# Allegro board 038RT-9068CJK8E-A100_0921.brd (continued)
## Placement (name value [footprint] x y rotation side) (continued)
NOREF#1249  -  []  254.99 425.56 0 top
NOREF#1250  -  []  629.25 153.92 0 top
NOREF#1251  -  []  15.1 414.65 0 top
NOREF#1252  -  []  232.75 330.54 90 top
NOREF#1253  -  []  285.59 218.14 0 top
NOREF#1254  -  []  358.67 229.31 0 top
NOREF#1255  -  []  315.3 40.08 90 top
NOREF#1256  -  []  287.7 209.4 90 top
NOREF#1257  -  []  386.86 201.86 90 top
NOREF#1258  -  []  373.61 270.11 90 top
NOREF#1259  -  []  604.77 258.65 90 top
NOREF#1260  -  []  518.88 28.83 0 top
NOREF#1261  -  []  97.83 209.81 0 top
NOREF#1262  -  []  35.42 140.33 90 top
NOREF#1263  -  []  310.22 40.08 90 top
NOREF#1264  -  []  132.95 49.42 90 top
NOREF#1265  -  []  598.85 181.71 90 top
NOREF#1266  -  []  413.67 261.03 90 top
NOREF#1267  -  []  278.34 279.42 90 top
NOREF#1268  -  []  335.29 428.29 90 top
NOREF#1269  -  []  539.03 230.65 90 top
NOREF#1270  -  []  407.29 213.01 0 top
NOREF#1271  -  []  523.56 443.3 0 top
NOREF#1272  -  []  606.28 314.58 0 top
NOREF#1273  -  []  61.64 274.21 90 top
NOREF#1274  -  []  481.71 23.33 90 top
NOREF#1275  -  []  632.24 143.87 90 top
NOREF#1276  -  []  287.27 198.65 90 top
NOREF#1277  -  []  97.01 262.63 0 top
NOREF#1278  -  []  100.82 314.58 0 top
NOREF#1279  -  []  89.79 261.85 90 top
NOREF#1280  -  []  287.67 204.62 0 top
NOREF#1281  -  []  604.77 198.65 90 top
NOREF#1282  -  []  50.5 403.54 90 top
NOREF#1283  -  []  285.27 223.88 0 top
NOREF#1284  -  []  28.5 397.78 90 top
NOREF#1285  -  []  603.57 199.82 0 top
NOREF#1286  -  []  91.39 208.23 0 top
NOREF#1287  -  []  87.37 263.45 90 top
NOREF#1288  -  []  609.08 213.32 90 top
NOREF#1289  -  []  284.44 223.23 90 top
NOREF#1290  -  []  237.85 285.12 0 top
NOREF#1291  -  []  537.38 232.05 90 top
NOREF#1292  -  []  534.18 232.05 0 top
NOREF#1293  -  []  599.93 310.77 90 top
NOREF#1294  -  []  559.57 429.85 90 top
NOREF#1295  -  []  434.68 214.83 0 top
NOREF#1296  -  []  288.89 203.45 90 top
NOREF#1297  -  []  174.78 27.61 0 top
NOREF#1298  -  []  286.9 203 90 top
NOREF#1299  -  []  365.04 203.72 90 top
NOREF#1300  -  []  593.2 199.8 90 top
NOREF#1301  -  []  278.1 273.42 0 top
NOREF#1302  -  []  403.29 205.81 0 top
NOREF#1303  -  []  57.91 274.63 90 top
NOREF#1304  -  []  671.31 270.4 0 top
NOREF#1305  -  []  75.42 331.72 90 top
NOREF#1306  -  []  507.11 437.01 90 top
NOREF#1307  -  []  171.22 420.04 90 top
NOREF#1308  -  []  419.43 201.14 90 top
NOREF#1309  -  []  411.27 211.43 90 top
NOREF#1310  -  []  595.19 259.45 90 top
NOREF#1311  -  []  287.29 200.23 0 top
NOREF#1312  -  []  607.87 17.54 90 top
NOREF#1313  -  []  674.38 279.13 0 top
NOREF#1314  -  []  283.79 223.21 90 top
NOREF#1315  -  []  280.89 206.65 90 top
NOREF#1316  -  []  600.4 260.59 90 top
NOREF#1317  -  []  95.77 200.62 0 top
NOREF#1318  -  []  605.59 213.05 90 top
NOREF#1319  -  []  282.1 262.2 90 top
NOREF#1320  -  []  603.82 18.01 0 top
NOREF#1321  -  []  617.08 149.86 90 top
NOREF#1322  -  []  360.52 284.66 0 top
NOREF#1323  -  []  349.6 230.73 0 top
NOREF#1324  -  []  543.37 237 0 top
NOREF#1325  -  []  29.9 424.64 90 top
NOREF#1326  -  []  615.81 130.56 90 top
NOREF#1327  -  []  402.51 210.61 0 top
NOREF#1328  -  []  587.23 310.77 90 top
NOREF#1329  -  []  292.11 207.43 0 top
NOREF#1330  -  []  605.57 206.63 90 top
NOREF#1331  -  []  155.09 453.95 0 top
NOREF#1332  -  []  93.4 265.39 90 top
NOREF#1333  -  []  629.71 261.62 0 top
NOREF#1334  -  []  437.41 277.63 90 top
NOREF#1335  -  []  110.98 157.86 0 top
NOREF#1336  -  []  590.4 180.8 90 top
NOREF#1337  -  []  90.59 264.23 0 top
NOREF#1338  -  []  173.74 425.5 90 top
NOREF#1339  -  []  601.2 260.59 90 top
NOREF#1340  -  []  601.59 269.83 90 top
NOREF#1341  -  []  591.94 223.47 90 top
NOREF#1342  -  []  282.91 220.37 90 top
NOREF#1343  -  []  380.1 226.22 0 top
NOREF#1344  -  []  360.57 266.37 90 top
NOREF#1345  -  []  4.29 234.23 0 top
NOREF#1346  -  []  241.79 284.66 90 top
NOREF#1347  -  []  596.43 152.6 0 top
NOREF#1348  -  []  584.63 241.71 0 top
NOREF#1349  -  []  42.96 447.81 90 top
NOREF#1350  -  []  325.92 216.53 0 top
NOREF#1351  -  []  94.17 200.62 0 top
NOREF#1352  -  []  406.9 263 90 top
NOREF#1353  -  []  218.66 40.93 0 top
NOREF#1354  -  []  87.41 261.81 0 top
NOREF#1355  -  []  283.27 269.85 90 top
NOREF#1356  -  []  357.85 285.12 0 top
NOREF#1357  -  []  408.47 210.22 0 top
NOREF#1358  -  []  600.4 262.2 90 top
NOREF#1359  -  []  432.77 420.16 90 top
NOREF#1360  -  []  88.19 205.01 0 top
NOREF#1361  -  []  220.26 33.83 90 top
NOREF#1362  -  []  610.95 239.12 0 top
NOREF#1363  -  []  405.69 261.03 0 top
NOREF#1364  -  []  72.6 233.97 0 top
NOREF#1365  -  []  623.58 279.93 90 top
NOREF#1366  -  []  406.32 255.14 0 top
NOREF#1367  -  []  501.47 219.56 0 top
NOREF#1368  -  []  117.8 246.22 90 top
NOREF#1369  -  []  409.71 269.83 0 top
NOREF#1370  -  []  283.7 209.4 90 top
NOREF#1371  -  []  63.07 248.15 0 top
NOREF#1372  -  []  455.44 430.09 90 top
NOREF#1373  -  []  351.03 27.91 0 top
NOREF#1374  -  []  166.01 46.35 0 top
NOREF#1375  -  []  601.17 268.62 0 top
NOREF#1376  -  []  181.25 443.92 90 top
NOREF#1377  -  []  204.06 427.89 90 top
NOREF#1378  -  []  284.87 266.63 90 top
NOREF#1379  -  []  592.79 205.05 90 top
NOREF#1380  -  []  89.79 201.03 90 top
NOREF#1381  -  []  411.27 270.63 90 top
NOREF#1382  -  []  530.46 48.15 0 top
NOREF#1383  -  []  539.03 183.99 90 top
NOREF#1384  -  []  604.37 203.02 0 top
NOREF#1385  -  []  641.53 197.43 90 top
NOREF#1386  -  []  587.66 203.5 90 top
NOREF#1387  -  []  682.83 19.94 90 top
NOREF#1388  -  []  142.1 207.93 0 top
NOREF#1389  -  []  598.39 268.23 0 top
NOREF#1390  -  []  533.66 51.35 90 top
NOREF#1391  -  []  318.15 44.32 90 top
NOREF#1392  -  []  500.09 31.37 90 top
NOREF#1393  -  []  62.84 191.68 90 top
NOREF#1394  -  []  673.94 152.65 0 top
NOREF#1395  -  []  279.72 279.4 90 top
NOREF#1396  -  []  437.41 281.69 90 top
NOREF#1397  -  []  404.91 272.21 0 top
NOREF#1398  -  []  408.87 266.63 90 top
NOREF#1399  -  []  415.3 226.19 0 top
NOREF#1400  -  []  286.49 263.43 90 top
NOREF#1401  -  []  83.94 290.41 90 top
NOREF#1402  -  []  254.17 184.46 0 top
NOREF#1403  -  []  566.05 262.44 90 top
NOREF#1404  -  []  598.41 204.21 0 top
NOREF#1405  -  []  403.27 198.65 90 top
NOREF#1406  -  []  92.99 263.43 90 top
NOREF#1407  -  []  279.7 266.2 90 top
NOREF#1408  -  []  292.47 262.22 0 top
NOREF#1409  -  []  403.29 206.61 0 top
NOREF#1410  -  []  93.79 205.03 0 top
NOREF#1411  -  []  232.96 27.63 90 top
NOREF#1412  -  []  628.51 261.62 90 top
NOREF#1413  -  []  313.7 34.54 90 top
NOREF#1414  -  []  86.97 202.22 0 top
NOREF#1415  -  []  11.29 269.88 0 top
NOREF#1416  -  []  294.73 190.4 0 top
NOREF#1417  -  []  283.86 39.73 90 top
NOREF#1418  -  []  528.71 46.5 90 top
NOREF#1419  -  []  324.92 228.96 90 top
NOREF#1420  -  []  93.79 265.03 0 top
NOREF#1421  -  []  419.43 261.14 90 top
NOREF#1422  -  []  414.28 243.91 90 top
NOREF#1423  -  []  282.1 202.2 90 top
NOREF#1424  -  []  110.98 154.05 90 top
NOREF#1425  -  []  574.97 192.26 90 top
NOREF#1426  -  []  278.34 283.23 90 top
NOREF#1427  -  []  352.27 27.31 0 top
NOREF#1428  -  []  251.52 53.56 90 top
NOREF#1429  -  []  171.22 447.73 90 top
NOREF#1430  -  []  89.37 207.02 0 top
NOREF#1431  -  []  320.38 43.28 0 top
NOREF#1432  -  []  168.38 36.63 90 top
NOREF#1433  -  []  402.1 263.8 90 top
NOREF#1434  -  []  191.96 287.46 0 top
NOREF#1435  -  []  410.24 245.98 90 top
NOREF#1436  -  []  115.62 220.79 90 top
NOREF#1437  -  []  58.89 216.31 0 top
NOREF#1438  -  []  284.11 265.03 0 top
NOREF#1439  -  []  622.28 223.84 0 top
NOREF#1440  -  []  409.69 269.81 0 top
NOREF#1441  -  []  243.3 296.22 0 top
NOREF#1442  -  []  284.47 265.42 0 top
NOREF#1443  -  []  594.39 265.05 90 top
NOREF#1444  -  []  633.37 278.02 90 top
NOREF#1445  -  []  92.6 203 90 top
NOREF#1446  -  []  404.5 271 90 top
NOREF#1447  -  []  132.95 51.62 90 top
NOREF#1448  -  []  78.61 258.12 0 top
NOREF#1449  -  []  600.81 267.43 0 top
NOREF#1450  -  []  282.4 283.23 90 top
NOREF#1451  -  []  8.06 476.13 90 top
NOREF#1452  -  []  405.3 259.79 90 top
NOREF#1453  -  []  89.77 210.63 90 top
NOREF#1454  -  []  611 193.22 90 top
NOREF#1455  -  []  406.9 211 90 top
NOREF#1456  -  []  422.24 267.47 90 top
NOREF#1457  -  []  593.59 261.81 0 top
NOREF#1458  -  []  436.21 280.31 0 top
NOREF#1459  -  []  595.99 205.01 0 top
NOREF#1460  -  []  620 286.22 0 top
NOREF#1461  -  []  328.31 426.39 90 top
NOREF#1462  -  []  290.1 200.59 90 top
NOREF#1463  -  []  232.56 39.2 90 top
NOREF#1464  -  []  603.97 208.23 90 top
NOREF#1465  -  []  491.67 436.45 0 top
NOREF#1466  -  []  290.07 270.22 0 top
NOREF#1467  -  []  593.28 325.6 0 top
NOREF#1468  -  []  158.52 445.82 90 top
NOREF#1469  -  []  599.99 259.43 0 top
NOREF#1470  -  []  268.15 223.37 0 top
NOREF#1471  -  []  288.11 204.21 0 top
NOREF#1472  -  []  97.01 273.01 0 top
NOREF#1473  -  []  106.29 229.19 90 top
NOREF#1474  -  []  596.81 267.41 0 top
NOREF#1475  -  []  433.97 50.36 90 top
NOREF#1476  -  []  81.66 202.57 90 top
NOREF#1477  -  []  165.51 429.31 90 top
NOREF#1478  -  []  562.97 149.86 90 top
NOREF#1479  -  []  73.52 337.82 90 top
NOREF#1480  -  []  52.64 381.69 90 top
NOREF#1481  -  []  190.27 445.82 90 top
NOREF#1482  -  []  596.37 205.42 0 top
NOREF#1483  -  []  283.29 265.81 0 top
NOREF#1484  -  []  83.59 195.14 90 top
NOREF#1485  -  []  628.81 196.73 90 top
NOREF#1486  -  []  281.3 211 90 top
NOREF#1487  -  []  292.2 282.09 0 top
NOREF#1488  -  []  575.61 34.98 0 top
NOREF#1489  -  []  278.52 280.05 0 top
NOREF#1490  -  []  93.77 204.25 90 top
NOREF#1491  -  []  313.95 454.91 90 top
NOREF#1492  -  []  94.97 207.82 0 top
NOREF#1493  -  []  92.17 203.45 90 top
NOREF#1494  -  []  97.79 209.81 0 top
NOREF#1495  -  []  289.67 200.25 90 top
NOREF#1496  -  []  86.97 264.62 0 top
NOREF#1497  -  []  440.02 282.34 0 top
NOREF#1498  -  []  363.61 446.71 90 top
NOREF#1499  -  []  153.8 325.72 0 top
NOREF#1500  -  []  13.26 143.82 90 top
NOREF#1501  -  []  373.61 273.31 0 top
NOREF#1502  -  []  106.87 322.4 90 top
NOREF#1503  -  []  291.29 203.43 0 top
NOREF#1504  -  []  594.77 264.62 0 top
NOREF#1505  -  []  592.37 208.62 0 top
NOREF#1506  -  []  86.59 258.63 0 top
NOREF#1507  -  []  276.81 219.15 90 top
NOREF#1508  -  []  585.33 309.63 90 top
NOREF#1509  -  []  398.1 199.02 90 top
NOREF#1510  -  []  603.99 201.83 0 top
NOREF#1511  -  []  405.69 259.43 0 top
NOREF#1512  -  []  86.97 207.82 0 top
NOREF#1513  -  []  93.86 219.07 90 top
NOREF#1514  -  []  336.65 220.51 0 top
NOREF#1515  -  []  170.9 216.36 0 top
NOREF#1516  -  []  94.17 263.02 0 top
NOREF#1517  -  []  413.67 207.43 90 top
NOREF#1518  -  []  283.09 230.11 90 top
NOREF#1519  -  []  596.49 242.01 90 top
NOREF#1520  -  []  14.11 53.59 0 top
NOREF#1521  -  []  616.44 153.42 90 top
NOREF#1522  -  []  349.51 424.48 0 top
NOREF#1523  -  []  326.95 273.68 0 top
NOREF#1524  -  []  284.91 269.81 0 top
NOREF#1525  -  []  404.09 259.43 0 top
NOREF#1526  -  []  287.29 267.41 0 top
NOREF#1527  -  []  602.97 27.29 0 top
NOREF#1528  -  []  586.52 204.65 90 top
NOREF#1529  -  []  166.01 27.31 0 top
NOREF#1530  -  []  88 290.41 90 top
NOREF#1531  -  []  91.8 207 90 top
NOREF#1532  -  []  673.94 155.19 90 top
NOREF#1533  -  []  398.1 213.42 0 top
NOREF#1534  -  []  593.59 212.21 0 top
NOREF#1535  -  []  279.29 211.45 90 top
NOREF#1536  -  []  280.89 266.65 90 top
NOREF#1537  -  []  602.26 181.7 0 top
NOREF#1538  -  []  288.09 269.03 0 top
NOREF#1539  -  []  407.89 217.54 90 top
NOREF#1540  -  []  94.17 322.4 90 top
NOREF#1541  -  []  515.33 47.24 90 top
NOREF#1542  -  []  498.27 272.9 90 top
NOREF#1543  -  []  407.67 200.59 0 top
NOREF#1544  -  []  197.26 438.45 90 top
NOREF#1545  -  []  278.1 259.02 90 top
NOREF#1546  -  []  70.6 186.22 90 top
NOREF#1547  -  []  219.43 439.19 0 top
NOREF#1548  -  []  605.2 266.99 90 top
NOREF#1549  -  []  343.8 424.48 90 top
NOREF#1550  -  []  207.3 177.22 0 top
NOREF#1551  -  []  406.25 438.24 90 top
NOREF#1552  -  []  600.4 202.2 90 top
NOREF#1553  -  []  91 273.4 90 top
NOREF#1554  -  []  163.91 434.8 90 top
NOREF#1555  -  []  593.17 203.02 0 top
NOREF#1556  -  []  237.78 211.24 0 top
NOREF#1557  -  []  272.3 219.22 0 top
NOREF#1558  -  []  280.06 38.13 90 top
NOREF#1559  -  []  87.41 270.61 0 top
NOREF#1560  -  []  118.53 34.57 0 top
NOREF#1561  -  []  35.57 402.14 0 top
NOREF#1562  -  []  512.44 445.44 0 top
NOREF#1563  -  []  615.17 213.82 90 top
NOREF#1564  -  []  602.39 269.01 0 top
NOREF#1565  -  []  574.07 423.82 0 top
NOREF#1566  -  []  171.22 429.31 90 top
NOREF#1567  -  []  402.13 47.53 90 top
NOREF#1568  -  []  276.31 223.23 90 top
NOREF#1569  -  []  545.02 238.4 0 top
NOREF#1570  -  []  60.05 258.5 90 top
NOREF#1571  -  []  72.02 198.62 90 top
NOREF#1572  -  []  409.69 212.21 0 top
NOREF#1573  -  []  447.04 418.84 0 top
NOREF#1574  -  []  595.17 261.83 90 top
NOREF#1575  -  []  154.91 286.01 0 top
NOREF#1576  -  []  600.77 271.43 90 top
NOREF#1577  -  []  87.39 207.45 90 top
NOREF#1578  -  []  692.13 228.33 90 top
NOREF#1579  -  []  72.6 288.22 90 top
NOREF#1580  -  []  410.9 203.8 90 top
NOREF#1581  -  []  597.59 268.23 0 top
NOREF#1582  -  []  286.51 264.21 0 top
NOREF#1583  -  []  49.99 236.14 0 top
NOREF#1584  -  []  549.93 221.16 90 top
NOREF#1585  -  []  461.36 35.51 90 top
NOREF#1586  -  []  89.01 265.83 0 top
NOREF#1587  -  []  14.11 147.57 0 top
NOREF#1588  -  []  176.3 29.51 0 top
NOREF#1589  -  []  362.71 201.95 90 top
NOREF#1590  -  []  94.97 268.62 0 top
NOREF#1591  -  []  330.67 448.21 0 top
NOREF#1592  -  []  591.92 181.06 90 top
NOREF#1593  -  []  25.25 449.41 0 top
NOREF#1594  -  []  357.78 203.62 0 top
NOREF#1595  -  []  323.86 34.54 90 top
NOREF#1596  -  []  624.78 225.14 0 top
NOREF#1597  -  []  673.94 155.19 90 top
NOREF#1598  -  []  449.43 210.23 90 top
NOREF#1599  -  []  7.39 276.87 0 top
NOREF#1600  -  []  249.98 447.45 0 top
NOREF#1601  -  []  580.95 201.26 90 top
NOREF#1602  -  []  602.46 231.2 90 top
NOREF#1603  -  []  250.03 213.54 90 top
NOREF#1604  -  []  95.77 263.02 0 top
NOREF#1605  -  []  439.11 224.7 0 top
NOREF#1606  -  []  429.28 271.63 90 top
NOREF#1607  -  []  94.97 207.02 0 top
NOREF#1608  -  []  97.37 210.22 0 top
NOREF#1609  -  []  7.6 377.54 90 top
NOREF#1610  -  []  94.2 268.6 90 top
NOREF#1611  -  []  632.68 196.56 90 top
NOREF#1612  -  []  410.47 200.2 90 top
NOREF#1613  -  []  35.05 426.55 90 top
NOREF#1614  -  []  615.17 270.52 90 top
NOREF#1615  -  []  405.71 269.81 0 top
NOREF#1616  -  []  91.37 267.43 90 top
NOREF#1617  -  []  95.99 278.38 0 top
NOREF#1618  -  []  95.57 225.77 90 top
NOREF#1619  -  []  288.7 226.19 0 top
NOREF#1620  -  []  283.29 206.61 0 top
NOREF#1621  -  []  585.69 204.65 90 top
NOREF#1622  -  []  292.95 218.14 0 top
NOREF#1623  -  []  121.01 153.92 0 top
NOREF#1624  -  []  244.78 272.24 0 top
NOREF#1625  -  []  410.51 213.01 0 top
NOREF#1626  -  []  439.11 282.67 0 top
NOREF#1627  -  []  91 208.6 90 top
NOREF#1628  -  []  188.77 260.48 0 top
NOREF#1629  -  []  309.28 274.83 0 top
NOREF#1630  -  []  409.7 290.11 90 top
NOREF#1631  -  []  193.95 443.92 90 top
NOREF#1632  -  []  594.97 252.89 90 top
NOREF#1633  -  []  279.67 271.02 0 top
NOREF#1634  -  []  623.88 279.68 0 top
NOREF#1635  -  []  186.65 222.56 0 top
NOREF#1636  -  []  99.87 230.09 0 top
NOREF#1637  -  []  575.67 160.02 90 top
NOREF#1638  -  []  286.57 281.66 0 top
NOREF#1639  -  []  284.09 259.43 0 top
NOREF#1640  -  []  406.07 272.62 0 top
NOREF#1641  -  []  310.79 425.56 0 top
NOREF#1642  -  []  90.59 205.05 90 top
NOREF#1643  -  []  175.67 38.91 0 top
NOREF#1644  -  []  286.49 199.43 0 top
NOREF#1645  -  []  284.47 267.82 0 top
NOREF#1646  -  []  461.21 428.64 90 top
NOREF#1647  -  []  633.45 137.73 0 top
NOREF#1648  -  []  319.08 144.84 0 top
NOREF#1649  -  []  91 265.39 90 top
NOREF#1650  -  []  313.07 28.45 90 top
NOREF#1651  -  []  98.17 264.62 0 top
NOREF#1652  -  []  349.6 290.73 0 top
NOREF#1653  -  []  683.79 325.12 90 top
NOREF#1654  -  []  327.8 438.53 0 top
NOREF#1655  -  []  207.72 281.46 90 top
NOREF#1656  -  []  397.69 212.23 0 top
NOREF#1657  -  []  362.01 433.78 0 top
NOREF#1658  -  []  682.28 175.65 90 top
NOREF#1659  -  []  186.57 266.69 0 top
NOREF#1660  -  []  128.53 49.42 90 top
NOREF#1661  -  []  98.57 211.43 90 top
NOREF#1662  -  []  406.92 42.73 90 top
NOREF#1663  -  []  79.65 179.12 90 top
NOREF#1664  -  []  602.26 241.7 0 top
NOREF#1665  -  []  288.47 271.82 0 top
NOREF#1666  -  []  142.37 235.44 0 top
NOREF#1667  -  []  88.19 264.25 90 top
NOREF#1668  -  []  100.97 201.03 90 top
NOREF#1669  -  []  289.69 209.81 0 top
NOREF#1670  -  []  85.81 208.21 0 top
NOREF#1671  -  []  408.47 268.62 0 top
NOREF#1672  -  []  670.26 224.48 0 top
NOREF#1673  -  []  273.03 205.66 90 top
NOREF#1674  -  []  170.9 222.56 0 top
NOREF#1675  -  []  621.83 149.4 90 top
NOREF#1676  -  []  323.1 27.56 0 top
NOREF#1677  -  []  598.37 269.03 90 top
NOREF#1678  -  []  571.3 450.93 0 top
NOREF#1679  -  []  290.24 245.98 90 top
NOREF#1680  -  []  600.56 180.8 90 top
NOREF#1681  -  []  81.66 262.57 90 top
NOREF#1682  -  []  711.28 67.04 90 top
NOREF#1683  -  []  273.56 423.14 0 top
NOREF#1684  -  []  436.21 226.41 0 top
NOREF#1685  -  []  97.21 278.77 0 top
NOREF#1686  -  []  586.66 241.71 90 top
NOREF#1687  -  []  283.79 283.21 90 top
NOREF#1688  -  []  597.97 271.82 0 top
NOREF#1689  -  []  279.31 201.81 0 top
NOREF#1690  -  []  352.2 203 0 top
NOREF#1691  -  []  410.47 200.25 90 top
NOREF#1692  -  []  284.62 283.86 0 top
NOREF#1693  -  []  392.3 253.22 90 top
NOREF#1694  -  []  679.31 288.93 0 top
NOREF#1695  -  []  177.86 271.5 90 top
NOREF#1696  -  []  539.03 190.34 90 top
NOREF#1697  -  []  209.3 280.22 0 top
NOREF#1698  -  []  586.01 181.7 90 top
NOREF#1699  -  []  15.31 143.02 90 top
NOREF#1700  -  []  57.84 271.42 0 top
NOREF#1701  -  []  253.37 39.72 0 top
NOREF#1702  -  []  88.33 290.11 0 top
NOREF#1703  -  []  406.34 218.14 0 top
NOREF#1704  -  []  183.92 445.82 0 top
NOREF#1705  -  []  625.2 346.11 90 top
NOREF#1706  -  []  432.48 214.83 0 top
NOREF#1707  -  []  618.68 343.99 90 top
NOREF#1708  -  []  440.02 226.41 0 top
NOREF#1709  -  []  58.14 276.31 0 top
NOREF#1710  -  []  204.06 443.79 0 top
NOREF#1711  -  []  503.77 29.72 90 top
NOREF#1712  -  []  299.43 261.12 90 top
NOREF#1713  -  []  324.89 231.94 0 top
NOREF#1714  -  []  574 268.22 0 top
NOREF#1715  -  []  404.5 209.4 90 top
NOREF#1716  -  []  72.02 263.32 90 top
NOREF#1717  -  []  278.38 245.05 90 top
NOREF#1718  -  []  549.42 238.4 0 top
NOREF#1719  -  []  436.51 228.77 0 top
NOREF#1720  -  []  499.32 35.81 90 top
NOREF#1721  -  []  592.37 268.62 0 top
NOREF#1722  -  []  518.42 214.96 90 top
NOREF#1723  -  []  403.67 268.62 0 top
NOREF#1724  -  []  329.57 92.61 90 top
NOREF#1725  -  []  572.63 149.86 90 top
NOREF#1726  -  []  590.8 213.42 0 top
NOREF#1727  -  []  592.1 241.7 90 top
NOREF#1728  -  []  378.03 427.89 90 top
NOREF#1729  -  []  500.92 41.35 90 top
NOREF#1730  -  []  627.24 207.08 90 top
NOREF#1731  -  []  285.3 266.22 0 top
NOREF#1732  -  []  602.37 201.05 90 top
NOREF#1733  -  []  629.25 356.16 0 top
NOREF#1734  -  []  340.65 250.8 90 top
NOREF#1735  -  []  274.78 282.96 90 top
NOREF#1736  -  []  602.77 268.62 0 top
NOREF#1737  -  []  404.09 269.83 90 top
NOREF#1738  -  []  597.57 265.83 90 top
NOREF#1739  -  []  105.27 316.87 90 top
NOREF#1740  -  []  617.84 312.42 90 top
NOREF#1741  -  []  466.22 144.61 0 top
NOREF#1742  -  []  407.7 261.39 90 top
NOREF#1743  -  []  14.11 21.21 0 top
NOREF#1744  -  []  373.74 27.61 90 top
NOREF#1745  -  []  88.19 262.61 0 top
NOREF#1746  -  []  95.39 261.85 90 top
NOREF#1747  -  []  603.99 205.01 0 top
NOREF#1748  -  []  89.53 229.46 90 top
NOREF#1749  -  []  328.89 193.65 90 top
NOREF#1750  -  []  283.31 273.03 0 top
NOREF#1751  -  []  272.35 179.12 0 top
NOREF#1752  -  []  329.22 239.37 90 top
NOREF#1753  -  []  103.1 229.44 90 top
NOREF#1754  -  []  602.37 261.05 90 top
NOREF#1755  -  []  244.78 204.62 0 top
NOREF#1756  -  []  137.98 237.19 90 top
NOREF#1757  -  []  437.4 280.31 90 top
NOREF#1758  -  []  594.39 262.65 90 top
NOREF#1759  -  []  559.16 42.97 90 top
NOREF#1760  -  []  86.97 211.02 0 top
NOREF#1761  -  []  482.51 231.97 0 top
NOREF#1762  -  []  638.54 355.36 0 top
NOREF#1763  -  []  151.93 429.7 90 top
NOREF#1764  -  []  579.95 228.22 90 top
NOREF#1765  -  []  285.59 282.09 0 top
NOREF#1766  -  []  40.09 434.4 0 top
NOREF#1767  -  []  633.45 118.19 0 top
NOREF#1768  -  []  365.13 378.54 0 top
NOREF#1769  -  []  335.62 59.16 0 top
NOREF#1770  -  []  163.52 27.68 90 top
NOREF#1771  -  []  687.4 50.29 90 top
NOREF#1772  -  []  137.9 58.67 0 top
NOREF#1773  -  []  123.55 320.04 0 top
NOREF#1774  -  []  478.3 189.22 90 top
NOREF#1775  -  []  472.22 326.54 90 top
NOREF#1776  -  []  253.61 263 90 top
NOREF#1777  -  []  274.75 183.91 90 top
NOREF#1778  -  []  121.01 164.08 0 top
NOREF#1779  -  []  3.19 50.29 90 top
NOREF#1780  -  []  408.09 211.43 90 top
NOREF#1781  -  []  393.76 208.71 90 top
NOREF#1782  -  []  92.19 205.03 0 top
NOREF#1783  -  []  289.71 208.23 0 top
NOREF#1784  -  []  174.65 36.88 0 top
NOREF#1785  -  []  534.17 221.16 90 top
NOREF#1786  -  []  594.77 205.42 0 top
NOREF#1787  -  []  91.41 264.21 0 top
NOREF#1788  -  []  534.18 238.4 0 top
NOREF#1789  -  []  512.44 426.39 0 top
NOREF#1790  -  []  177.86 265.29 90 top
NOREF#1791  -  []  105.26 267.33 90 top
NOREF#1792  -  []  407.31 264.23 0 top
NOREF#1793  -  []  404.07 261.05 90 top
NOREF#1794  -  []  408.87 208.25 90 top
NOREF#1795  -  []  185 221.16 0 top
NOREF#1796  -  []  646.23 23.94 0 top
NOREF#1797  -  []  407.29 200.23 0 top
NOREF#1798  -  []  86.17 272.62 0 top
NOREF#1799  -  []  61.64 214.21 90 top
NOREF#1800  -  []  407.9 193.53 90 top
NOREF#1801  -  []  407.29 209.03 0 top
NOREF#1802  -  []  600.01 270.61 0 top
NOREF#1803  -  []  402.07 205.42 0 top
NOREF#1804  -  []  74.45 246.22 90 top
NOREF#1805  -  []  360.41 424.48 0 top
NOREF#1806  -  []  102.55 290.11 0 top
NOREF#1807  -  []  290.24 185.98 90 top
NOREF#1808  -  []  282.47 258.65 90 top
NOREF#1809  -  []  408.07 269.83 90 top
NOREF#1810  -  []  347.8 210.11 0 top
NOREF#1811  -  []  571.99 157.23 0 top
NOREF#1812  -  []  86.17 268.62 0 top
NOREF#1813  -  []  618 181.02 90 top
NOREF#1814  -  []  286.9 211 90 top
NOREF#1815  -  []  606.98 241.71 0 top
NOREF#1816  -  []  91.93 157.86 0 top
NOREF#1817  -  []  544.43 48.15 90 top
NOREF#1818  -  []  574.64 253.15 0 top
NOREF#1819  -  []  406.25 432.64 90 top
NOREF#1820  -  []  388.53 144.61 0 top
NOREF#1821  -  []  617.84 334.01 90 top
NOREF#1822  -  []  597.2 206.2 90 top
NOREF#1823  -  []  629.71 201.62 0 top
NOREF#1824  -  []  161.06 32 0 top
NOREF#1825  -  []  408.09 263.43 90 top
NOREF#1826  -  []  219.68 47.53 90 top
NOREF#1827  -  []  282.51 210.61 0 top
NOREF#1828  -  []  253.77 49.56 90 top
NOREF#1829  -  []  600.56 242.01 90 top
NOREF#1830  -  []  602.39 202.65 90 top
NOREF#1831  -  []  290.07 268.62 0 top
NOREF#1832  -  []  288.89 261.03 0 top
NOREF#1833  -  []  280.89 262.63 90 top
NOREF#1834  -  []  171.86 46.1 90 top
NOREF#1835  -  []  441.21 218.28 90 top
NOREF#1836  -  []  447.2 330.54 90 top
NOREF#1837  -  []  96.99 203.41 0 top
NOREF#1838  -  []  14.11 21.21 90 top
NOREF#1839  -  []  283.29 209.83 90 top
NOREF#1840  -  []  19.29 269.6 0 top
NOREF#1841  -  []  276.81 224.18 90 top
NOREF#1842  -  []  314.33 378.54 0 top
NOREF#1843  -  []  58.14 216.31 0 top
NOREF#1844  -  []  85.37 209.42 0 top
NOREF#1845  -  []  204.53 260.48 0 top
NOREF#1846  -  []  93.81 260.23 0 top
NOREF#1847  -  []  379.01 266.2 0 top
NOREF#1848  -  []  538.08 48.15 90 top
NOREF#1849  -  []  399.31 265.01 0 top
NOREF#1850  -  []  279.29 271.45 90 top
NOREF#1851  -  []  519.43 269.89 0 top
NOREF#1852  -  []  96.57 209.42 0 top
NOREF#1853  -  []  337.67 250.82 0 top
NOREF#1854  -  []  87.37 203.45 90 top
NOREF#1855  -  []  92.39 290.11 0 top
NOREF#1856  -  []  273.06 190.84 90 top
NOREF#1857  -  []  601.59 261.03 90 top
NOREF#1858  -  []  106.35 275.62 90 top
NOREF#1859  -  []  282.9 271 90 top
NOREF#1860  -  []  327.8 443.1 0 top
NOREF#1861  -  []  624.19 334.01 90 top
NOREF#1862  -  []  422.18 330.54 90 top
NOREF#1863  -  []  365.04 269.93 90 top
NOREF#1864  -  []  282.79 92.61 90 top
NOREF#1865  -  []  118.73 312.42 90 top
NOREF#1866  -  []  474.65 44.59 90 top
NOREF#1867  -  []  285.75 225.56 90 top
NOREF#1868  -  []  286.49 281.84 0 top
NOREF#1869  -  []  201.75 416.84 90 top
NOREF#1870  -  []  72.88 135 0 top
NOREF#1871  -  []  347.1 428.29 90 top
NOREF#1872  -  []  173.1 216.36 0 top
NOREF#1873  -  []  38.32 450.66 90 top
NOREF#1874  -  []  336.31 31.07 0 top
NOREF#1875  -  []  288.5 203 90 top
NOREF#1876  -  []  408.91 261.81 0 top
NOREF#1877  -  []  397.27 269.42 0 top
NOREF#1878  -  []  284.5 271 90 top
NOREF#1879  -  []  166.95 286.01 0 top
NOREF#1880  -  []  448.33 436.97 90 top
NOREF#1881  -  []  150.85 441.65 90 top
NOREF#1882  -  []  -57.3 18.09 90 top
NOREF#1883  -  []  427.3 226.22 0 top
NOREF#1884  -  []  93.37 207.02 0 top
NOREF#1885  -  []  407.67 267.82 0 top
NOREF#1886  -  []  335.62 40.08 90 top
NOREF#1887  -  []  175.84 23.47 0 top
NOREF#1888  -  []  357.9 437.44 90 top
NOREF#1889  -  []  288.87 259.45 90 top
NOREF#1890  -  []  371.74 442.9 0 top
NOREF#1891  -  []  96.99 263.41 0 top
NOREF#1892  -  []  405.3 203 90 top
NOREF#1893  -  []  355.89 230.13 0 top
NOREF#1894  -  []  596.82 241.71 0 top
NOREF#1895  -  []  283.29 207.41 0 top
NOREF#1896  -  []  84.62 127.18 90 top
NOREF#1897  -  []  392.35 231.42 90 top
NOREF#1898  -  []  281.2 223.88 0 top
NOREF#1899  -  []  605.59 273.03 90 top
NOREF#1900  -  []  251.77 144.61 0 top
NOREF#1901  -  []  94.61 205.83 0 top
NOREF#1902  -  []  608.78 275.17 0 top
NOREF#1903  -  []  58.29 155.66 0 top
NOREF#1904  -  []  117.97 316.87 90 top
NOREF#1905  -  []  399.7 262.2 90 top
NOREF#1906  -  []  56.39 276.76 0 top
NOREF#1907  -  []  529.78 225.76 0 top
NOREF#1908  -  []  139.3 51.62 90 top
NOREF#1909  -  []  508.62 45.09 0 top
NOREF#1910  -  []  276.49 223.86 0 top
NOREF#1911  -  []  604.11 241.06 90 top
NOREF#1912  -  []  594.14 181.7 90 top
NOREF#1913  -  []  442.43 49.56 90 top
NOREF#1914  -  []  79.6 253.22 90 top
NOREF#1915  -  []  99.37 269.03 90 top
NOREF#1916  -  []  603.97 268.23 90 top
NOREF#1917  -  []  590.72 181.71 0 top
NOREF#1918  -  []  402.07 265.42 0 top
NOREF#1919  -  []  337.67 262.25 0 top
NOREF#1920  -  []  87.82 325.6 0 top
NOREF#1921  -  []  277.14 280.07 0 top
NOREF#1922  -  []  603.57 200.62 0 top
NOREF#1923  -  []  96.99 199.45 90 top
NOREF#1924  -  []  98.59 201.85 90 top
NOREF#1925  -  []  440.01 218.93 0 top
NOREF#1926  -  []  435.3 284.7 0 top
NOREF#1927  -  []  318.15 48.13 0 top
NOREF#1928  -  []  32.29 228.6 0 top
NOREF#1929  -  []  576.06 259.57 90 top
NOREF#1930  -  []  519.43 263.68 0 top
NOREF#1931  -  []  220.9 432.22 90 top
NOREF#1932  -  []  602.41 261.03 0 top
NOREF#1933  -  []  7.39 226.07 0 top
NOREF#1934  -  []  403.7 269.39 90 top
NOREF#1935  -  []  351.22 415.37 0 top
NOREF#1936  -  []  408.89 203.45 90 top
NOREF#1937  -  []  284.47 267.02 0 top
NOREF#1938  -  []  274.78 284.18 90 top
NOREF#1939  -  []  402.49 210.63 0 top
NOREF#1940  -  []  88.6 271 90 top
NOREF#1941  -  []  254.99 422.36 90 top
NOREF#1942  -  []  604.77 269.85 90 top
NOREF#1943  -  []  101.9 290.09 0 top
NOREF#1944  -  []  91.41 268.21 0 top
NOREF#1945  -  []  287.29 260.23 0 top
NOREF#1946  -  []  600.81 204.23 0 top
NOREF#1947  -  []  78.27 130.38 0 top
NOREF#1948  -  []  403.29 261.03 90 top
NOREF#1949  -  []  89.77 202.63 90 top
NOREF#1950  -  []  413.67 270.63 90 top
NOREF#1951  -  []  85.79 264.23 0 top
NOREF#1952  -  []  92.57 136.91 90 top
NOREF#1953  -  []  429.28 211.63 90 top
NOREF#1954  -  []  18.92 463.94 0 top
NOREF#1955  -  []  60.05 198.5 90 top
NOREF#1956  -  []  97.37 270.22 0 top
NOREF#1957  -  []  603.57 260.62 0 top
NOREF#1958  -  []  292.2 222.09 0 top
NOREF#1959  -  []  89.4 211 90 top
NOREF#1960  -  []  88 229.19 90 top
NOREF#1961  -  []  362.71 269.57 90 top
NOREF#1962  -  []  393.06 250.84 90 top
NOREF#1963  -  []  284.06 433.64 90 top
NOREF#1964  -  []  410.47 260.25 90 top
NOREF#1965  -  []  373.44 433.78 0 top
NOREF#1966  -  []  436.2 287.06 0 top
NOREF#1967  -  []  633.37 279.42 90 top
NOREF#1968  -  []  161.06 47.24 90 top
NOREF#1969  -  []  162.2 425.5 90 top
NOREF#1970  -  []  546.97 19.23 0 top
NOREF#1971  -  []  78.27 150.04 90 top
NOREF#1972  -  []  52.64 150.81 90 top
NOREF#1973  -  []  75.42 335.53 0 top
NOREF#1974  -  []  398.1 273.42 0 top
NOREF#1975  -  []  608.78 210.47 0 top
NOREF#1976  -  []  50.39 377.37 0 top
NOREF#1977  -  []  319.54 30.1 90 top
NOREF#1978  -  []  406.07 267.82 0 top
NOREF#1979  -  []  349.55 62.08 0 top
NOREF#1980  -  []  529.78 191.74 0 top
NOREF#1981  -  []  160.45 272.9 90 top
NOREF#1982  -  []  190.77 286.06 0 top
NOREF#1983  -  []  407.31 213.01 0 top
NOREF#1984  -  []  238.53 203.62 0 top
NOREF#1985  -  []  404.5 269.39 90 top
NOREF#1986  -  []  72.75 330.83 0 top
NOREF#1987  -  []  590.07 181.7 0 top
NOREF#1988  -  []  94.97 267.82 0 top
NOREF#1989  -  []  297.52 250.01 90 top
NOREF#1990  -  []  358.83 209.39 90 top
NOREF#1991  -  []  596.77 211.43 90 top
NOREF#1992  -  []  518.42 227.37 90 top
NOREF#1993  -  []  596.17 181.7 0 top
NOREF#1994  -  []  282.47 270.63 90 top
NOREF#1995  -  []  287.27 260.25 90 top
NOREF#1996  -  []  313.95 449.83 0 top
NOREF#1997  -  []  31.61 146.69 0 top
NOREF#1998  -  []  406.49 209.03 90 top
NOREF#1999  -  []  90.04 289.19 90 top
NOREF#2000  -  []  85.65 290.09 0 top
NOREF#2001  -  []  140.64 215.4 90 top
NOREF#2002  -  []  290.1 211 90 top
NOREF#2003  -  []  610.73 149.86 90 top
NOREF#2004  -  []  502.92 447.93 0 top
NOREF#2005  -  []  51.27 422.73 0 top
NOREF#2006  -  []  468.26 438.24 90 top
NOREF#2007  -  []  602.41 267.43 0 top
NOREF#2008  -  []  605.57 204.23 90 top
NOREF#2009  -  []  89.4 199.8 90 top
NOREF#2010  -  []  92.17 201.05 90 top
NOREF#2011  -  []  276.49 220.05 0 top
NOREF#2012  -  []  575.29 191.96 90 top
NOREF#2013  -  []  592.79 265.05 90 top
NOREF#2014  -  []  26.97 397.53 90 top
NOREF#2015  -  []  584.69 153.42 90 top
NOREF#2016  -  []  96.79 40.89 0 top
NOREF#2017  -  []  282.07 266.22 0 top
NOREF#2018  -  []  155.98 32 0 top
NOREF#2019  -  []  90.97 153.24 0 top
NOREF#2020  -  []  100.2 230.41 90 top
NOREF#2021  -  []  613.77 164.08 0 top
NOREF#2022  -  []  272.3 193.22 90 top
NOREF#2023  -  []  100.97 261.83 90 top
NOREF#2024  -  []  66.87 191.51 90 top
NOREF#2025  -  []  409.69 272.21 0 top
NOREF#2026  -  []  274.02 93.84 90 top
NOREF#2027  -  []  690.26 210.48 90 top
NOREF#2028  -  []  86.17 271.82 0 top
NOREF#2029  -  []  218.06 42.53 0 top
NOREF#2030  -  []  406.32 254.31 0 top
NOREF#2031  -  []  422.18 92.61 90 top
NOREF#2032  -  []  604.4 272.59 90 top
NOREF#2033  -  []  600.77 267.45 90 top
NOREF#2034  -  []  632.24 358.82 90 top
NOREF#2035  -  []  408.69 226.19 0 top
NOREF#2036  -  []  407.31 266.63 0 top
NOREF#2037  -  []  186.31 50.36 0 top
NOREF#2038  -  []  347.19 27.31 0 top
NOREF#2039  -  []  233.14 44.59 90 top
NOREF#2040  -  []  597.57 265.03 90 top
NOREF#2041  -  []  604.02 24.19 0 top
NOREF#2042  -  []  477.02 39.2 90 top
NOREF#2043  -  []  58.72 427.36 90 top
NOREF#2044  -  []  97.01 200.23 0 top
NOREF#2045  -  []  405.67 209.85 90 top
NOREF#2046  -  []  245.04 211.34 90 top
NOREF#2047  -  []  591.21 270.63 0 top
NOREF#2048  -  []  464.04 429.34 90 top
NOREF#2049  -  []  89.79 262.65 90 top
NOREF#2050  -  []  88.19 203.41 0 top
NOREF#2051  -  []  79.23 135 0 top
NOREF#2052  -  []  571.86 309.88 0 top
NOREF#2053  -  []  200.76 214.96 0 top
NOREF#2054  -  []  324.92 217.53 90 top
NOREF#2055  -  []  107.35 434.2 0 top
NOREF#2056  -  []  285.71 209.81 0 top
NOREF#2057  -  []  4.26 330.2 0 top
NOREF#2058  -  []  89.79 199.43 0 top
NOREF#2059  -  []  285.69 264.25 90 top
NOREF#2060  -  []  290.48 432.64 90 top
NOREF#2061  -  []  408.07 258.65 90 top
NOREF#2062  -  []  400.62 428.64 90 top
NOREF#2063  -  []  35.55 452.26 90 top
NOREF#2064  -  []  641.53 262.07 90 top
NOREF#2065  -  []  435.3 286.73 0 top
NOREF#2066  -  []  362.76 207.6 0 top
NOREF#2067  -  []  92.57 309.63 90 top
NOREF#2068  -  []  604.62 242.01 90 top
NOREF#2069  -  []  89.01 199.41 0 top
NOREF#2070  -  []  88.99 201.03 90 top
NOREF#2071  -  []  85.4 199.02 90 top
NOREF#2072  -  []  112.07 201.26 90 top
NOREF#2073  -  []  292.87 261.05 90 top
NOREF#2074  -  []  405.3 261.39 90 top
NOREF#2075  -  []  76.66 202.82 0 top
NOREF#2076  -  []  302.91 32.26 0 top
NOREF#2077  -  []  503.67 269.89 0 top
NOREF#2078  -  []  365.33 213.54 0 top
NOREF#2079  -  []  587.69 22.75 90 top
NOREF#2080  -  []  603.17 265.83 90 top
NOREF#2081  -  []  407.67 207.02 0 top
NOREF#2082  -  []  603.57 203.82 0 top
NOREF#2083  -  []  326.24 239.39 0 top
NOREF#2084  -  []  313.88 436.45 90 top
NOREF#2085  -  []  88.21 267.41 0 top
NOREF#2086  -  []  411.27 269.03 90 top
NOREF#2087  -  []  276.49 280.05 0 top
NOREF#2088  -  []  600.81 207.43 0 top
NOREF#2089  -  []  239.73 203.62 0 top
NOREF#2090  -  []  330.54 43.28 0 top
NOREF#2091  -  []  440.01 227.06 0 top
NOREF#2092  -  []  280.07 209.03 90 top
NOREF#2093  -  []  61.94 274.46 90 top
NOREF#2094  -  []  287.31 264.23 0 top
NOREF#2095  -  []  91 211.8 90 top
NOREF#2096  -  []  624.78 219.93 0 top
NOREF#2097  -  []  578.98 316.87 90 top
NOREF#2098  -  []  325.24 251.82 90 top
NOREF#2099  -  []  231.65 291.08 0 top
NOREF#2100  -  []  91.93 154.05 90 top
NOREF#2101  -  []  325.22 266.23 0 top
NOREF#2102  -  []  78.61 262.82 0 top
NOREF#2103  -  []  98.57 272.25 90 top
NOREF#2104  -  []  408.5 263 90 top
NOREF#2105  -  []  602.78 149.4 90 top
NOREF#2106  -  []  410.07 270.22 0 top
NOREF#2107  -  []  622.83 285.14 0 top
NOREF#2108  -  []  282.1 211 90 top
NOREF#2109  -  []  254.52 184.22 0 top
NOREF#2110  -  []  536.05 426.65 90 top
NOREF#2111  -  []  100.97 266.63 90 top
NOREF#2112  -  []  269.56 27.63 0 top
NOREF#2113  -  []  407.67 207.82 0 top
NOREF#2114  -  []  328.18 43.43 0 top
NOREF#2115  -  []  595.17 201.83 90 top
NOREF#2116  -  []  8.31 143.27 90 top
NOREF#2117  -  []  534.18 204.44 0 top
NOREF#2118  -  []  600.88 241.71 90 top
NOREF#2119  -  []  408.09 261.03 0 top
NOREF#2120  -  []  289.69 269.01 0 top
NOREF#2121  -  []  380.42 49.56 90 top
NOREF#2122  -  []  286.49 203.43 90 top
NOREF#2123  -  []  404.09 270.63 0 top
NOREF#2124  -  []  440.02 220.31 0 top
NOREF#2125  -  []  403.31 273.03 0 top
NOREF#2126  -  []  30.51 449.41 90 top
NOREF#2127  -  []  94.97 208.62 0 top
NOREF#2128  -  []  378.17 50.36 90 top
NOREF#2129  -  []  408.89 261.03 0 top
NOREF#2130  -  []  326.29 416.31 90 top
NOREF#2131  -  []  278.1 213.42 0 top
NOREF#2132  -  []  100.17 203.43 90 top
NOREF#2133  -  []  287.29 203.43 90 top
NOREF#2134  -  []  406.49 221.84 0 top
NOREF#2135  -  []  279.7 200.59 90 top
NOREF#2136  -  []  402.1 203.8 90 top
NOREF#2137  -  []  357.23 264.07 0 top
NOREF#2138  -  []  62.84 186.47 90 top
NOREF#2139  -  []  104.07 206.92 90 top
NOREF#2140  -  []  405.11 254.75 0 top
NOREF#2141  -  []  98.59 209.05 90 top
NOREF#2142  -  []  603.99 266.61 0 top
NOREF#2143  -  []  251.87 436.45 90 top
NOREF#2144  -  []  282.1 260.59 90 top
NOREF#2145  -  []  298.25 181.02 90 top
NOREF#2146  -  []  158.28 431.9 90 top
NOREF#2147  -  []  462.51 42.53 0 top
NOREF#2148  -  []  401.71 201.81 0 top
NOREF#2149  -  []  278.49 269.81 0 top
NOREF#2150  -  []  220.03 432.64 0 top
NOREF#2151  -  []  592.76 202.63 0 top
NOREF#2152  -  []  282.91 219.15 90 top
NOREF#2153  -  []  623.58 285.14 90 top
NOREF#2154  -  []  347.1 446.71 90 top
NOREF#2155  -  []  693.28 54.65 0 top
NOREF#2156  -  []  58.14 271.67 0 top
NOREF#2157  -  []  338.32 216.53 0 top
NOREF#2158  -  []  191.05 228.77 0 top
NOREF#2159  -  []  13.21 427.47 0 top
NOREF#2160  -  []  406.1 259.79 90 top
NOREF#2161  -  []  673.94 61.21 90 top
NOREF#2162  -  []  606.28 332.36 90 top
NOREF#2163  -  []  402.1 262.2 90 top
NOREF#2164  -  []  284.87 205.03 90 top
NOREF#2165  -  []  604.95 242.91 0 top
NOREF#2166  -  []  207.73 260.48 90 top
NOREF#2167  -  []  92.94 229.44 90 top
NOREF#2168  -  []  95.39 199.45 90 top
NOREF#2169  -  []  294.5 277.54 90 top
NOREF#2170  -  []  593.59 259.43 0 top
NOREF#2171  -  []  460.69 431.02 90 top
NOREF#2172  -  []  610.73 159.77 90 top
NOREF#2173  -  []  462.73 47.53 90 top
NOREF#2174  -  []  197.26 447.73 90 top
NOREF#2175  -  []  403.31 268.23 0 top
NOREF#2176  -  []  325.3 275.33 90 top
NOREF#2177  -  []  597.39 157.23 0 top
NOREF#2178  -  []  591.27 241.05 90 top
NOREF#2179  -  []  195.72 55.76 90 top
NOREF#2180  -  []  284.66 436.44 0 top
NOREF#2181  -  []  288.87 212.23 90 top
NOREF#2182  -  []  171.09 27.31 0 top
NOREF#2183  -  []  282.1 263.8 90 top
NOREF#2184  -  []  94.17 203.02 0 top
NOREF#2185  -  []  86.97 203.02 0 top
NOREF#2186  -  []  231.65 231.08 0 top
NOREF#2187  -  []  155.98 51.05 0 top
NOREF#2188  -  []  597.57 264.23 90 top
NOREF#2189  -  []  501.47 269.89 0 top
NOREF#2190  -  []  611.49 312.42 90 top
NOREF#2191  -  []  532.98 225.76 0 top
NOREF#2192  -  []  586.91 204.28 0 top
NOREF#2193  -  []  68.6 241.02 0 top
NOREF#2194  -  []  280.89 206.63 90 top
NOREF#2195  -  []  615.17 215.22 90 top
NOREF#2196  -  []  18.78 388.01 90 top
NOREF#2197  -  []  602.77 266.22 0 top
NOREF#2198  -  []  91.37 198.65 90 top
NOREF#2199  -  []  352.82 428.29 90 top
NOREF#2200  -  []  283.06 431.62 0 top
NOREF#2201  -  []  591.68 159.77 90 top
NOREF#2202  -  []  409.69 209.81 0 top
NOREF#2203  -  []  214.51 48.93 0 top
NOREF#2204  -  []  554.27 237 90 top
NOREF#2205  -  []  673.94 61.21 90 top
NOREF#2206  -  []  253.77 378.54 0 top
NOREF#2207  -  []  360.41 424.48 90 top
NOREF#2208  -  []  595.21 260.23 0 top
NOREF#2209  -  []  290.87 261.42 0 top
NOREF#2210  -  []  407.31 264.21 0 top
NOREF#2211  -  []  374.97 50.36 0 top
NOREF#2212  -  []  405.11 253.92 0 top
NOREF#2213  -  []  358.53 209.14 90 top
NOREF#2214  -  []  598.87 45.36 90 top
NOREF#2215  -  []  173.46 58.88 90 top
NOREF#2216  -  []  370.33 205.67 90 top
NOREF#2217  -  []  303.26 418.84 90 top
NOREF#2218  -  []  254.89 183.56 90 top
NOREF#2219  -  []  373.61 203 90 top
NOREF#2220  -  []  510.14 53.97 90 top
NOREF#2221  -  []  599.99 266.63 90 top
NOREF#2222  -  []  406.49 211.43 90 top
NOREF#2223  -  []  665.97 8.25 90 top
NOREF#2224  -  []  79.87 316.87 90 top
NOREF#2225  -  []  360.57 272.59 90 top
NOREF#2226  -  []  192.97 286.06 0 top
NOREF#2227  -  []  99.39 266.61 0 top
NOREF#2228  -  []  692.13 209.28 90 top
NOREF#2229  -  []  291.29 201.03 90 top
NOREF#2230  -  []  571.95 453.28 0 top
NOREF#2231  -  []  517.23 269.89 0 top
NOREF#2232  -  []  92.19 272.23 90 top
NOREF#2233  -  []  286.47 223.23 90 top
NOREF#2234  -  []  600.01 268.21 0 top
NOREF#2235  -  []  600.81 266.63 0 top
NOREF#2236  -  []  72.88 157.86 0 top
NOREF#2237  -  []  574 328.22 0 top
NOREF#2238  -  []  125.33 49.42 0 top
NOREF#2239  -  []  536.68 57.4 0 top
NOREF#2240  -  []  603.97 201.05 90 top
NOREF#2241  -  []  283.67 203.02 0 top
NOREF#2242  -  []  593.97 260.62 0 top
NOREF#2243  -  []  186.65 216.36 0 top
NOREF#2244  -  []  612.33 325.6 0 top
NOREF#2245  -  []  7.76 178.69 90 top
NOREF#2246  -  []  85.81 268.21 0 top
NOREF#2247  -  []  97.01 265.03 0 top
NOREF#2248  -  []  10.39 245.12 0 top
NOREF#2249  -  []  253.61 206.2 0 top
NOREF#2250  -  []  408.89 205.85 90 top
NOREF#2251  -  []  333.69 433.78 0 top
NOREF#2252  -  []  415.94 250.79 0 top
NOREF#2253  -  []  594.14 242.9 0 top
NOREF#2254  -  []  406.07 267.02 0 top
NOREF#2255  -  []  157.34 222.56 0 top
NOREF#2256  -  []  419.7 23.33 90 top
NOREF#2257  -  []  593.17 203.82 0 top
NOREF#2258  -  []  634.21 206.32 0 top
NOREF#2259  -  []  275.11 220.07 0 top
NOREF#2260  -  []  173.1 228.77 0 top
NOREF#2261  -  []  427.77 447.45 0 top
NOREF#2262  -  []  95.39 212.21 0 top
NOREF#2263  -  []  338.55 33.96 0 top
NOREF#2264  -  []  91.39 268.23 0 top
NOREF#2265  -  []  603.99 206.65 90 top
NOREF#2266  -  []  535.18 225.76 0 top
NOREF#2267  -  []  580.85 283.37 0 top
NOREF#2268  -  []  286.9 271 90 top
NOREF#2269  -  []  237.78 271.24 0 top
NOREF#2270  -  []  79.87 159.77 90 top
NOREF#2271  -  []  278.87 269.42 0 top
NOREF#2272  -  []  11.81 49.04 90 top
NOREF#2273  -  []  329.7 30.1 90 top
NOREF#2274  -  []  598.8 264.6 90 top
NOREF#2275  -  []  600.57 336.17 0 top
NOREF#2276  -  []  -6.71 287.4 0 top
NOREF#2277  -  []  90.59 269.83 90 top
NOREF#2278  -  []  592.75 242.91 0 top
NOREF#2279  -  []  574.64 193.15 0 top
NOREF#2280  -  []  271.45 431.58 90 top
NOREF#2281  -  []  92.19 208.23 0 top
NOREF#2282  -  []  628 205.81 90 top
NOREF#2283  -  []  286.49 270.61 0 top
NOREF#2284  -  []  401.3 259.8 90 top
NOREF#2285  -  []  168.38 62.08 0 top
NOREF#2286  -  []  287.29 208.21 0 top
NOREF#2287  -  []  412.47 207.82 0 top
NOREF#2288  -  []  175.3 228.77 0 top
NOREF#2289  -  []  312.94 27.56 0 top
NOREF#2290  -  []  513.71 419.02 90 top
NOREF#2291  -  []  91.39 209.83 90 top
NOREF#2292  -  []  92.99 265.03 0 top
NOREF#2293  -  []  92.57 337.82 90 top
NOREF#2294  -  []  440.01 287.06 0 top
NOREF#2295  -  []  591.63 186.68 90 top
NOREF#2296  -  []  364.78 264.62 0 top
NOREF#2297  -  []  84.27 290.11 0 top
NOREF#2298  -  []  592.75 181.71 90 top
NOREF#2299  -  []  81.47 322.4 90 top
NOREF#2300  -  []  593.59 199.43 0 top
NOREF#2301  -  []  276.31 219.42 90 top
NOREF#2302  -  []  587.23 314.58 0 top
NOREF#2303  -  []  604.4 264.6 90 top
NOREF#2304  -  []  168.61 260.48 0 top
NOREF#2305  -  []  601.17 264.62 0 top
NOREF#2306  -  []  297.46 262.26 90 top
NOREF#2307  -  []  686.33 340.36 90 top
NOREF#2308  -  []  356.3 433.78 0 top
NOREF#2309  -  []  287.29 273.01 0 top
NOREF#2310  -  []  77.64 262.39 90 top
NOREF#2311  -  []  188.85 216.36 0 top
NOREF#2312  -  []  594.34 261.85 90 top
NOREF#2313  -  []  290.47 260.25 90 top
NOREF#2314  -  []  414.5 217.54 90 top
NOREF#2315  -  []  574.07 423.82 0 top
NOREF#2316  -  []  582.02 164.08 0 top
NOREF#2317  -  []  336.65 198.35 0 top
NOREF#2318  -  []  91.41 260.23 0 top
NOREF#2319  -  []  75.45 189.07 90 top
NOREF#2320  -  []  200.25 427.89 90 top
NOREF#2321  -  []  411.27 209.03 90 top
NOREF#2322  -  []  91 268.6 90 top
NOREF#2323  -  []  440.32 218.61 0 top
NOREF#2324  -  []  36.29 271.4 90 top
NOREF#2325  -  []  368.06 444.8 0 top
NOREF#2326  -  []  14.11 179.96 90 top
NOREF#2327  -  []  373.61 266.2 0 top
NOREF#2328  -  []  594.46 242.01 90 top
NOREF#2329  -  []  402.1 260.59 90 top
NOREF#2330  -  []  631.5 360.47 90 top
NOREF#2331  -  []  597.2 266.2 90 top
NOREF#2332  -  []  574.97 252.26 90 top
NOREF#2333  -  []  284.89 207.45 90 top
NOREF#2334  -  []  97.37 205.42 0 top
NOREF#2335  -  []  280.89 201.03 90 top
NOREF#2336  -  []  415.58 44.59 90 top
NOREF#2337  -  []  336.65 221.21 0 top
NOREF#2338  -  []  638.54 364.87 90 top
NOREF#2339  -  []  599.19 212.21 0 top
NOREF#2340  -  []  328.94 50.42 90 top
NOREF#2341  -  []  595.73 217.3 90 top
NOREF#2342  -  []  284.84 428.64 90 top
NOREF#2343  -  []  20.34 212.72 90 top
NOREF#2344  -  []  440.18 55.76 90 top
NOREF#2345  -  []  402.9 269.39 90 top
NOREF#2346  -  []  285.69 261.03 0 top
NOREF#2347  -  []  248.68 454.25 0 top
NOREF#2348  -  []  342.24 51.05 0 top
NOREF#2349  -  []  280.51 444.45 0 top
NOREF#2350  -  []  607.48 215.62 0 top
NOREF#2351  -  []  90.97 127.18 90 top
NOREF#2352  -  []  151.2 271.5 0 top
NOREF#2353  -  []  590.4 242.01 90 top
NOREF#2354  -  []  89.37 266.22 0 top
NOREF#2355  -  []  292.09 201.81 0 top
NOREF#2356  -  []  603.74 157.23 0 top
NOREF#2357  -  []  292.2 44.59 90 top
NOREF#2358  -  []  286.49 271.43 90 top
NOREF#2359  -  []  405.69 211.43 90 top
NOREF#2360  -  []  279.67 211.82 0 top
NOREF#2361  -  []  597.37 181.05 90 top
NOREF#2362  -  []  337.7 442.9 90 top
NOREF#2363  -  []  405.3 263 90 top
NOREF#2364  -  []  592.37 204.62 0 top
NOREF#2365  -  []  282.51 270.61 0 top
NOREF#2366  -  []  436.2 289.09 0 top
NOREF#2367  -  []  279.67 271.82 0 top
NOREF#2368  -  []  399.31 205.01 0 top
NOREF#2369  -  []  404.09 210.63 0 top
NOREF#2370  -  []  59.69 159.13 90 top
NOREF#2371  -  []  598.03 149.86 90 top
NOREF#2372  -  []  86.61 205.03 0 top
NOREF#2373  -  []  87.82 343.36 90 top
NOREF#2374  -  []  633.37 283.23 90 top
NOREF#2375  -  []  283.29 210.63 0 top
NOREF#2376  -  []  140.28 216.06 0 top
NOREF#2377  -  []  237.78 263.62 0 top
NOREF#2378  -  []  91 266.99 90 top
NOREF#2379  -  []  594.77 203.02 0 top
NOREF#2380  -  []  285.27 270.22 0 top
NOREF#2381  -  []  628.51 261.62 0 top
NOREF#2382  -  []  518.88 44.7 0 top
NOREF#2383  -  []  497.24 96.61 90 top
NOREF#2384  -  []  604.81 268.21 0 top
NOREF#2385  -  []  132.95 57.02 0 top
NOREF#2386  -  []  591.68 309.63 90 top
NOREF#2387  -  []  116.5 219.83 90 top
NOREF#2388  -  []  498.27 263.68 0 top
NOREF#2389  -  []  284.87 205.83 90 top
NOREF#2390  -  []  403.29 209.83 90 top
NOREF#2391  -  []  386.32 436.97 90 top
NOREF#2392  -  []  79.1 309.88 0 top
NOREF#2393  -  []  -11.44 173.92 0 top
NOREF#2394  -  []  592.01 208.23 0 top
NOREF#2395  -  []  19.29 320.4 0 top
NOREF#2396  -  []  284.94 224.18 90 top
NOREF#2397  -  []  98.28 157.86 0 top
NOREF#2398  -  []  191.05 222.56 0 top
NOREF#2399  -  []  85.97 289.19 90 top
NOREF#2400  -  []  523.56 443.3 90 top
NOREF#2401  -  []  171.22 438.45 90 top
NOREF#2402  -  []  394.1 34.58 90 top
NOREF#2403  -  []  58.89 211.67 0 top
NOREF#2404  -  []  371.96 55.76 90 top
NOREF#2405  -  []  45.67 215.01 90 top
NOREF#2406  -  []  326.24 262.25 0 top
NOREF#2407  -  []  241.79 224.66 90 top
NOREF#2408  -  []  298.25 181.02 90 top
NOREF#2409  -  []  602.39 205.85 90 top
NOREF#2410  -  []  638.54 349.96 90 top
NOREF#2411  -  []  603.99 270.63 0 top
NOREF#2412  -  []  92.99 267.43 90 top
NOREF#2413  -  []  207.25 418.84 90 top
NOREF#2414  -  []  213.76 40.33 0 top
NOREF#2415  -  []  400.89 201.03 90 top
NOREF#2416  -  []  593.59 262.61 0 top
NOREF#2417  -  []  163.91 416.38 0 top
NOREF#2418  -  []  417.35 205.79 90 top
NOREF#2419  -  []  22.66 386.16 90 top
NOREF#2420  -  []  603.97 269.03 90 top
NOREF#2421  -  []  583.73 152.6 0 top
NOREF#2422  -  []  328.31 444.8 0 top
NOREF#2423  -  []  40.87 396.14 90 top
NOREF#2424  -  []  595.73 277.3 90 top
NOREF#2425  -  []  173.74 415.59 0 top
NOREF#2426  -  []  326.57 227.96 0 top
NOREF#2427  -  []  261.3 206.22 90 top
NOREF#2428  -  []  102.55 230.11 0 top
NOREF#2429  -  []  544.43 52.55 90 top
NOREF#2430  -  []  592.81 265.83 0 top
NOREF#2431  -  []  238.67 225.35 90 top
NOREF#2432  -  []  275.66 223.21 90 top
NOREF#2433  -  []  92.99 205.03 0 top
NOREF#2434  -  []  338.32 250.82 0 top
NOREF#2435  -  []  402.47 258.65 90 top
NOREF#2436  -  []  153.49 221.16 0 top
NOREF#2437  -  []  289.69 269.81 0 top
NOREF#2438  -  []  594.14 241.7 90 top
NOREF#2439  -  []  88.57 207.82 0 top
NOREF#2440  -  []  21.94 386.24 90 top
NOREF#2441  -  []  464.14 47.53 90 top
NOREF#2442  -  []  288.89 263.45 90 top
NOREF#2443  -  []  604.01 262.63 0 top
NOREF#2444  -  []  404.64 242.02 90 top
NOREF#2445  -  []  405.67 198.65 90 top
NOREF#2446  -  []  518.93 227.16 0 top
NOREF#2447  -  []  621.19 126.54 90 top
NOREF#2448  -  []  89.79 205.81 0 top
NOREF#2449  -  []  281.2 280.07 0 top
NOREF#2450  -  []  92.99 203.43 90 top
NOREF#2451  -  []  597.2 268.6 90 top
NOREF#2452  -  []  3.19 50.29 90 top
NOREF#2453  -  []  399.2 428.64 90 top
NOREF#2454  -  []  399.31 203.41 0 top
NOREF#2455  -  []  175.3 222.56 0 top
NOREF#2456  -  []  584.3 242.01 90 top
NOREF#2457  -  []  287.67 207.82 0 top
NOREF#2458  -  []  334.02 34.54 90 top
NOREF#2459  -  []  62.84 246.47 90 top
NOREF#2460  -  []  661.53 141.61 90 top
NOREF#2461  -  []  398.51 209.03 0 top
NOREF#2462  -  []  654.31 271.4 0 top
NOREF#2463  -  []  148.91 425.85 90 top
NOREF#2464  -  []  521.24 60.43 0 top
NOREF#2465  -  []  340.05 38.65 90 top
NOREF#2466  -  []  575.29 253.16 0 top
NOREF#2467  -  []  591.57 205.42 0 top
NOREF#2468  -  []  281.69 259.43 0 top
NOREF#2469  -  []  61.87 193.36 0 top
NOREF#2470  -  []  596.81 207.41 0 top
NOREF#2471  -  []  604.79 200.21 0 top
NOREF#2472  -  []  406.49 263.43 90 top
NOREF#2473  -  []  142.56 425.85 90 top
NOREF#2474  -  []  174.78 23.16 0 top
NOREF#2475  -  []  620.12 164.08 0 top
NOREF#2476  -  []  238.83 263.37 0 top
NOREF#2477  -  []  286.48 37.13 90 top
NOREF#2478  -  []  537.38 191.74 90 top
NOREF#2479  -  []  406.1 199.79 90 top
NOREF#2480  -  []  605.32 284.37 90 top
NOREF#2481  -  []  597.26 309.88 0 top
NOREF#2482  -  []  291.31 273.01 0 top
NOREF#2483  -  []  336.67 194.67 90 top
NOREF#2484  -  []  366.53 213.54 0 top
NOREF#2485  -  []  600.4 200.59 90 top
NOREF#2486  -  []  447.71 23.33 0 top
NOREF#2487  -  []  399.7 263.8 90 top
NOREF#2488  -  []  285.3 208.6 90 top
NOREF#2489  -  []  560.69 312.42 90 top
NOREF#2490  -  []  399.31 201.81 0 top
NOREF#2491  -  []  283.27 209.85 90 top
NOREF#2492  -  []  567.06 438.62 90 top
NOREF#2493  -  []  615.15 189.07 90 top
NOREF#2494  -  []  151.93 435.1 0 top
NOREF#2495  -  []  85.81 268.23 0 top
NOREF#2496  -  []  238.53 269.14 90 top
NOREF#2497  -  []  85.97 230.41 90 top
NOREF#2498  -  []  142.37 241.79 0 top
NOREF#2499  -  []  441.54 416.84 90 top
NOREF#2500  -  []  278.07 212.62 0 top
NOREF#2501  -  []  379.53 416.84 0 top
NOREF#2502  -  []  86.63 40.89 0 top
NOREF#2503  -  []  609.08 210.22 0 top
NOREF#2504  -  []  96.19 207.45 90 top
NOREF#2505  -  []  336.67 263.9 90 top
NOREF#2506  -  []  286.34 218.14 0 top
NOREF#2507  -  []  584.24 195.92 90 top
NOREF#2508  -  []  63.82 193.36 0 top
NOREF#2509  -  []  627.75 224.72 90 top
NOREF#2510  -  []  174.65 32.31 90 top
NOREF#2511  -  []  400.89 266.65 90 top
NOREF#2512  -  []  435.3 224.7 0 top
NOREF#2513  -  []  411.27 209.83 90 top
NOREF#2514  -  []  623.58 279.93 0 top
NOREF#2515  -  []  596.79 272.21 0 top
NOREF#2516  -  []  89.01 270.61 0 top
NOREF#2517  -  []  83.94 230.41 90 top
NOREF#2518  -  []  282.07 267.02 0 top
NOREF#2519  -  []  6.8 89.79 90 top
NOREF#2520  -  []  35.29 472.89 90 top
NOREF#2521  -  []  329.7 45.97 90 top
NOREF#2522  -  []  165.51 447.73 90 top
NOREF#2523  -  []  278.91 35.51 90 top
NOREF#2524  -  []  360.57 273.99 90 top
NOREF#2525  -  []  595.17 201.03 90 top
NOREF#2526  -  []  106.62 290.11 0 top
NOREF#2527  -  []  282.07 205.42 0 top
NOREF#2528  -  []  89.4 259.8 90 top
NOREF#2529  -  []  493.61 29.72 90 top
NOREF#2530  -  []  575.96 40.13 0 top
